# KiCad board prrplsattiny20_panel.kicad_pcb (continued)
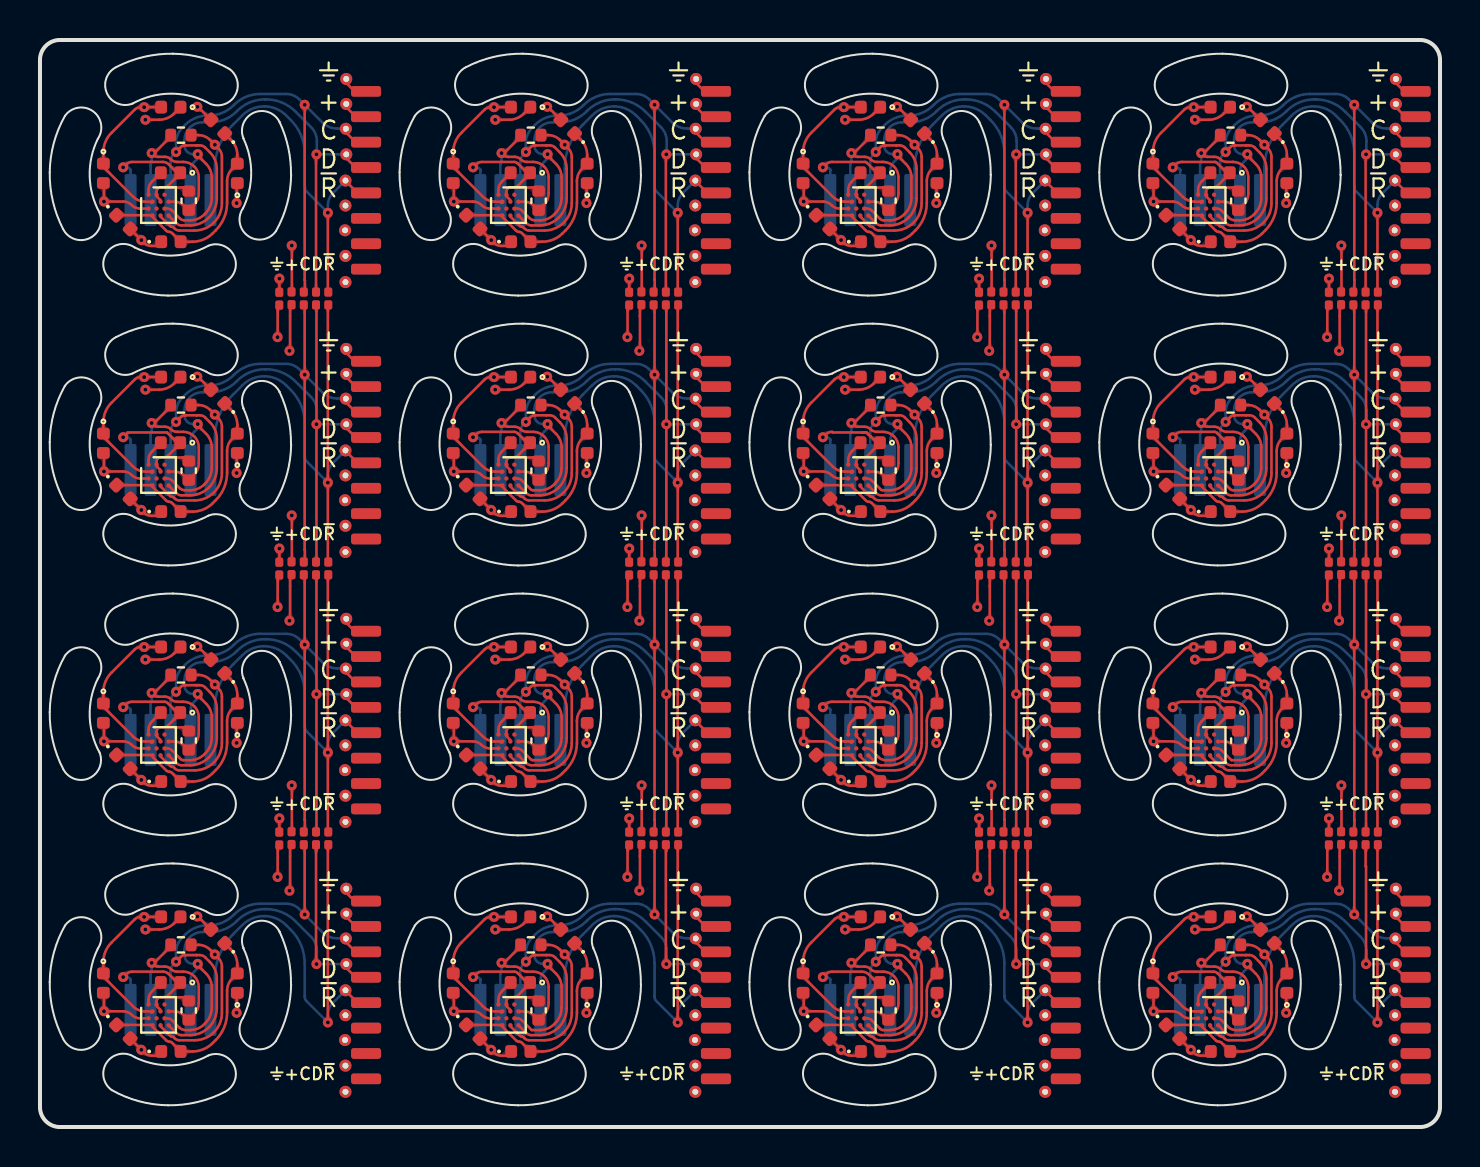
[diagram p0: board, top side]
## Routing (per net, layer and track width the routed paths; a pad name or vN(x,y) marks a point on that pad's centre or on a via; arc(x,y) is an arc through that point) (continued)
/B: length 176.6
  Top w0.127: D97.1 5.54,5.11 6.32,4.33 arc(6.38,4.29) 6.46,4.27 arc(6.54,4.26) 6.6,4.21 D98.2 7.63,3.78 arc(8.17,3.89) 8.64,4.2 8.79,4.35 arc(9.21,4.98) 9.36,5.72 9.36,6.81 arc(9.42,7.14) 9.61,7.43 D96.2 9.87,8.12 arc(9.79,8.53) 9.56,8.87 D93.1 ; D111.1 40.54,5.11 41.32,4.33 arc(41.38,4.29) 41.46,4.27 arc(41.54,4.26) 41.6,4.21 D112.2 42.63,3.78 arc(43.17,3.89) 43.64,4.2 43.79,4.35 arc(44.21,4.98) 44.36,5.72 44.36,6.81 arc(44.42,7.14) 44.61,7.43 D110.2 44.87,8.12 arc(44.79,8.53) 44.56,8.87 D107.1 ; D16.1 27.06,49.37 arc(27.29,49.03) 27.37,48.62 27.37,48.54 arc(27.3,48.21) 27.11,47.93 arc(26.92,47.64) 26.86,47.31 26.86,46.22 arc(26.71,45.48) 26.29,44.85 26.14,44.7 arc(25.67,44.39) 25.13,44.28 D21.2 24.1,44.71 arc(24.04,44.76) 23.96,44.77 arc(23.88,44.79) 23.82,44.83 23.04,45.61 D20.1 ; D55.1 40.54,32.11 41.32,31.33 arc(41.38,31.29) 41.46,31.27 arc(41.54,31.26) 41.6,31.21 D56.2 42.63,30.78 arc(43.17,30.89) 43.64,31.2 43.79,31.35 arc(44.21,31.98) 44.36,32.72 44.36,33.81 arc(44.42,34.14) 44.61,34.43 D54.2 44.87,35.12 arc(44.79,35.53) 44.56,35.87 D51.1 ; D104.1 23.04,5.11 23.82,4.33 arc(23.88,4.29) 23.96,4.27 arc(24.04,4.26) 24.1,4.21 D105.2 25.13,3.78 arc(25.67,3.89) 26.14,4.2 26.29,4.35 arc(26.71,4.98) 26.86,5.72 26.86,6.81 arc(26.92,7.14) 27.11,7.43 arc(27.3,7.71) 27.37,8.04 27.37,8.12 arc(27.29,8.53) 27.06,8.87 D100.1 ; D30.1 62.06,49.37 arc(62.29,49.03) 62.37,48.62 62.37,48.54 arc(62.3,48.21) 62.11,47.93 arc(61.92,47.64) 61.86,47.31 61.86,46.22 arc(61.71,45.48) 61.29,44.85 61.14,44.7 arc(60.67,44.39) 60.13,44.28 D35.2 59.1,44.71 arc(59.04,44.76) 58.96,44.77 arc(58.88,44.79) 58.82,44.83 58.04,45.61 D34.1 ; D27.1 40.54,45.61 41.32,44.83 arc(41.38,44.79) 41.46,44.77 arc(41.54,44.76) 41.6,44.71 D28.2 42.63,44.28 arc(43.17,44.39) 43.64,44.7 43.79,44.85 arc(44.21,45.48) 44.36,46.22 44.36,47.31 arc(44.42,47.64) 44.61,47.93 D26.2 44.87,48.62 arc(44.79,49.03) 44.56,49.37 D23.1 ; D86.1 62.06,22.37 arc(62.29,22.03) 62.37,21.62 D89.2 62.11,20.93 arc(61.92,20.64) 61.86,20.31 61.86,19.22 arc(61.71,18.48) 61.29,17.85 61.14,17.7 arc(60.67,17.39) 60.13,17.28 D91.2 59.1,17.71 arc(59.04,17.76) 58.96,17.77 arc(58.88,17.79) 58.82,17.83 58.04,18.61 D90.1 ; D58.1 62.06,35.87 arc(62.29,35.53) 62.37,35.12 D61.2 62.11,34.43 arc(61.92,34.14) 61.86,33.81 61.86,32.72 arc(61.71,31.98) 61.29,31.35 61.14,31.2 arc(60.67,30.89) 60.13,30.78 D63.2 59.1,31.21 arc(59.04,31.26) 58.96,31.27 arc(58.88,31.29) 58.82,31.33 58.04,32.11 D62.1 ; D9.1 9.56,49.37 arc(9.79,49.03) 9.87,48.62 D12.2 9.61,47.93 arc(9.42,47.64) 9.36,47.31 9.36,46.22 arc(9.21,45.48) 8.79,44.85 8.64,44.7 arc(8.17,44.39) 7.63,44.28 D14.2 6.6,44.71 arc(6.54,44.76) 6.46,44.77 arc(6.38,44.79) 6.32,44.83 5.54,45.61 D13.1 ; D6.1 58.04,5.11 58.82,4.33 arc(58.88,4.29) 58.96,4.27 arc(59.04,4.26) 59.1,4.21 D7.2 60.13,3.78 arc(60.67,3.89) 61.14,4.2 61.29,4.35 arc(61.71,4.98) 61.86,5.72 61.86,6.81 arc(61.92,7.14) 62.11,7.43 arc(62.3,7.71) 62.37,8.04 62.37,8.12 arc(62.29,8.53) 62.06,8.87 D2.1 ; D72.1 27.06,22.37 arc(27.29,22.03) 27.37,21.62 27.37,21.54 arc(27.3,21.21) 27.11,20.93 arc(26.92,20.64) 26.86,20.31 26.86,19.22 arc(26.71,18.48) 26.29,17.85 26.14,17.7 arc(25.67,17.39) 25.13,17.28 D77.2 24.1,17.71 arc(24.04,17.76) 23.96,17.77 arc(23.88,17.79) 23.82,17.83 23.04,18.61 D76.1 ; D48.1 23.04,32.11 23.82,31.33 arc(23.88,31.29) 23.96,31.27 arc(24.04,31.26) 24.1,31.21 D49.2 25.13,30.78 arc(25.67,30.89) 26.14,31.2 26.29,31.35 arc(26.71,31.98) 26.86,32.72 26.86,33.81 arc(26.92,34.14) 27.11,34.43 arc(27.3,34.71) 27.37,35.04 27.37,35.12 arc(27.29,35.53) 27.06,35.87 D44.1 ; D69.1 5.54,18.61 6.32,17.83 arc(6.38,17.79) 6.46,17.77 arc(6.54,17.76) 6.6,17.71 D70.2 7.63,17.28 arc(8.17,17.39) 8.64,17.7 8.79,17.85 arc(9.21,18.48) 9.36,19.22 9.36,20.31 arc(9.42,20.64) 9.61,20.93 arc(9.8,21.21) 9.87,21.54 9.87,21.62 arc(9.79,22.03) 9.56,22.37 D65.1 ; D83.1 40.54,18.61 41.32,17.83 arc(41.38,17.79) 41.46,17.77 arc(41.54,17.76) 41.6,17.71 D84.2 42.63,17.28 arc(43.17,17.39) 43.64,17.7 43.79,17.85 arc(44.21,18.48) 44.36,19.22 44.36,20.31 arc(44.42,20.64) 44.61,20.93 D82.2 44.87,21.62 arc(44.79,22.03) 44.56,22.37 D79.1 ; D37.1 9.56,35.87 arc(9.79,35.53) 9.87,35.12 9.87,35.04 arc(9.8,34.71) 9.61,34.43 arc(9.42,34.14) 9.36,33.81 9.36,32.72 arc(9.21,31.98) 8.79,31.35 8.64,31.2 arc(8.17,30.89) 7.63,30.78 D42.2 6.6,31.21 arc(6.54,31.26) 6.46,31.27 arc(6.38,31.29) 6.32,31.33 5.54,32.11 D41.1
/C: length 241.1
  Top w0.127: U5.C1 57.51,45.94 arc(57.28,45.98) 57.09,46.11 arc(56.89,46.24) 56.66,46.29 v1(55.7,46.29) 55.7,47.19 ; U16.C1 40.01,5.44 arc(39.78,5.48) 39.59,5.61 arc(39.39,5.74) 39.16,5.79 v1(38.2,5.79) 38.2,6.69 ; 40.86,44.07 40.57,44.07 arc(40.38,44.11) 40.22,44.22 v1(40.07,44.36) D27.2 ; 20.7,6.69 v1(20.7,5.79) 21.66,5.79 arc(21.89,5.74) 22.09,5.61 arc(22.28,5.48) 22.51,5.44 U15.C1 ; 23.36,30.57 23.07,30.57 arc(22.88,30.61) 22.72,30.72 v1(22.57,30.86) D48.2 ; U12.C1 40.01,18.94 arc(39.78,18.98) 39.59,19.11 arc(39.39,19.24) 39.16,19.29 v1(38.2,19.29) 38.2,20.19 ; 5.86,3.57 5.57,3.57 arc(5.38,3.61) 5.22,3.72 v1(5.07,3.86) D97.2 ; 38.2,47.19 v1(38.2,46.29) 39.16,46.29 arc(39.39,46.24) 39.59,46.11 arc(39.78,45.98) 40.01,45.94 U4.C1 ; U7.C1 22.51,32.44 arc(22.28,32.48) 22.09,32.61 arc(21.89,32.74) 21.66,32.79 v1(20.7,32.79) 20.7,33.69 ; 40.86,3.57 40.57,3.57 arc(40.38,3.61) 40.22,3.72 v1(40.07,3.86) D111.2 ; 55.7,6.69 v1(55.7,5.79) 56.66,5.79 arc(56.89,5.74) 57.09,5.61 arc(57.28,5.48) 57.51,5.44 U1.C1 ; 3.2,33.69 v1(3.2,32.79) 4.16,32.79 arc(4.39,32.74) 4.59,32.61 arc(4.78,32.48) 5.01,32.44 U6.C1 ; U9.C1 57.51,32.44 arc(57.28,32.48) 57.09,32.61 arc(56.89,32.74) 56.66,32.79 v1(55.7,32.79) 55.7,33.69 ; 20.7,47.19 v1(20.7,46.29) 21.66,46.29 arc(21.89,46.24) 22.09,46.11 arc(22.28,45.98) 22.51,45.94 U3.C1 ; D92.1 6.71,10.2 arc(6.36,9.96) 5.95,9.88 v1(5.27,9.88) ; U14.C1 5.01,5.44 arc(4.78,5.48) 4.59,5.61 arc(4.39,5.74) 4.16,5.79 v1(3.2,5.79) 3.2,6.69 ; D64.1 6.71,23.7 arc(6.36,23.46) 5.95,23.38 v1(5.27,23.38) ; v1(22.77,50.38) 23.45,50.38 arc(23.86,50.46) 24.21,50.7 D15.1 ; 58.36,30.57 58.07,30.57 arc(57.88,30.61) 57.72,30.72 v1(57.57,30.86) D62.2 ; 23.36,44.07 23.07,44.07 arc(22.88,44.11) 22.72,44.22 v1(22.57,44.36) D20.2 ; D50.1 41.71,37.2 arc(41.36,36.96) 40.95,36.88 v1(40.27,36.88) ; v1(5.27,36.88) 5.95,36.88 arc(6.36,36.96) 6.71,37.2 D36.1 ; D99.1 24.21,10.2 arc(23.86,9.96) 23.45,9.88 v1(22.77,9.88) ; D71.1 24.21,23.7 arc(23.86,23.46) 23.45,23.38 v1(22.77,23.38) ; v1(40.27,9.88) 40.95,9.88 arc(41.36,9.96) 41.71,10.2 D106.1 ; 5.86,17.07 5.57,17.07 arc(5.38,17.11) 5.22,17.22 v1(5.07,17.36) D69.2 ; 58.36,3.57 58.07,3.57 arc(57.88,3.61) 57.72,3.72 v1(57.57,3.86) D6.2 ; D1.1 59.21,10.2 arc(58.86,9.96) 58.45,9.88 v1(57.77,9.88) ; 20.7,20.19 v1(20.7,19.29) 21.66,19.29 arc(21.89,19.24) 22.09,19.11 arc(22.28,18.98) 22.51,18.94 U11.C1 ; D57.1 59.21,37.2 arc(58.86,36.96) 58.45,36.88 v1(57.77,36.88) ; D55.2 v1(40.07,30.86) 40.22,30.72 arc(40.38,30.61) 40.57,30.57 40.86,30.57 ; D43.1 24.21,37.2 arc(23.86,36.96) 23.45,36.88 v1(22.77,36.88) ; D22.1 41.71,50.7 arc(41.36,50.46) 40.95,50.38 v1(40.27,50.38) ; D85.1 59.21,23.7 arc(58.86,23.46) 58.45,23.38 v1(57.77,23.38) ; 3.2,47.19 v1(3.2,46.29) 4.16,46.29 arc(4.39,46.24) 4.59,46.11 arc(4.78,45.98) 5.01,45.94 U2.C1 ; D83.2 v1(40.07,17.36) 40.22,17.22 arc(40.38,17.11) 40.57,17.07 40.86,17.07 ; D41.2 v1(5.07,30.86) 5.22,30.72 arc(5.38,30.61) 5.57,30.57 5.86,30.57 ; 58.36,44.07 58.07,44.07 arc(57.88,44.11) 57.72,44.22 v1(57.57,44.36) D34.2 ; 3.2,20.19 v1(3.2,19.29) 4.16,19.29 arc(4.39,19.24) 4.59,19.11 arc(4.78,18.98) 5.01,18.94 U10.C1 ; D13.2 v1(5.07,44.36) 5.22,44.22 arc(5.38,44.11) 5.57,44.07 5.86,44.07 ; 58.36,17.07 58.07,17.07 arc(57.88,17.11) 57.72,17.22 v1(57.57,17.36) D90.2 ; 23.36,3.57 23.07,3.57 arc(22.88,3.61) 22.72,3.72 v1(22.57,3.86) D104.2 ; v1(5.27,50.38) 5.95,50.38 arc(6.36,50.46) 6.71,50.7 D8.1 ; 23.36,17.07 23.07,17.07 arc(22.88,17.11) 22.72,17.22 v1(22.57,17.36) D76.2 ; v1(57.77,50.38) 58.45,50.38 arc(58.86,50.46) 59.21,50.7 D29.1 ; v1(40.27,23.38) 40.95,23.38 arc(41.36,23.46) 41.71,23.7 D78.1 ; 38.2,33.69 v1(38.2,32.79) 39.16,32.79 arc(39.39,32.74) 39.59,32.61 arc(39.78,32.48) 40.01,32.44 U8.C1 ; U13.C1 57.51,18.94 arc(57.28,18.98) 57.09,19.11 arc(56.89,19.24) 56.66,19.29 v1(55.7,19.29) 55.7,20.19
  In1.Cu w0.127: 40.09,30.84 38.22,32.71 arc(38.21,32.73) 38.2,32.76 v1(38.2,32.79) 38.2,35.22 arc(38.33,35.86) 38.69,36.4 38.78,36.49 arc(39.21,36.78) 39.72,36.88 v1(40.27,36.88) ; 40.09,3.84 38.22,5.71 arc(38.21,5.73) 38.2,5.76 v1(38.2,5.79) 38.2,8.22 arc(38.33,8.86) 38.69,9.4 38.78,9.49 arc(39.21,9.78) 39.72,9.88 v1(40.27,9.88) ; v1(57.77,36.88) 57.22,36.88 arc(56.71,36.78) 56.28,36.49 56.19,36.4 arc(55.83,35.86) 55.7,35.22 v1(55.7,32.79) 55.7,32.76 arc(55.71,32.73) 55.72,32.71 57.59,30.84 ; v1(22.77,50.38) 22.22,50.38 arc(21.71,50.28) 21.28,49.99 21.18,49.9 arc(20.83,49.36) 20.7,48.72 v1(20.7,46.29) 20.7,46.26 arc(20.71,46.23) 20.72,46.21 22.59,44.34 ; 57.59,3.84 55.72,5.71 arc(55.71,5.73) 55.7,5.76 v1(55.7,5.79) 55.7,8.22 arc(55.83,8.86) 56.19,9.4 56.28,9.49 arc(56.71,9.78) 57.22,9.88 v1(57.77,9.88) ; v1(57.77,23.38) 57.22,23.38 arc(56.71,23.28) 56.28,22.99 56.19,22.9 arc(55.83,22.36) 55.7,21.72 v1(55.7,19.29) 55.7,19.26 arc(55.71,19.23) 55.72,19.21 57.59,17.34 ; 40.09,44.34 38.22,46.21 arc(38.21,46.23) 38.2,46.26 v1(38.2,46.29) 38.2,48.72 arc(38.33,49.36) 38.69,49.9 38.78,49.99 arc(39.21,50.28) 39.72,50.38 v1(40.27,50.38) ; 22.59,3.84 20.72,5.71 arc(20.71,5.73) 20.7,5.76 v1(20.7,5.79) 20.7,8.22 arc(20.83,8.86) 21.18,9.4 21.28,9.49 arc(21.71,9.78) 22.22,9.88 v1(22.77,9.88) ; v1(22.77,23.38) 22.22,23.38 arc(21.71,23.28) 21.28,22.99 21.19,22.9 arc(20.83,22.36) 20.7,21.72 v1(20.7,19.29) 20.7,19.26 arc(20.71,19.23) 20.72,19.21 22.59,17.34 ; v1(5.27,36.88) 4.72,36.88 arc(4.21,36.78) 3.78,36.49 3.68,36.4 arc(3.33,35.86) 3.2,35.22 v1(3.2,32.79) 3.2,32.76 arc(3.21,32.73) 3.22,32.71 5.09,30.84 ; 5.09,44.34 3.22,46.21 arc(3.21,46.23) 3.2,46.26 v1(3.2,46.29) 3.2,48.72 arc(3.33,49.36) 3.68,49.9 3.78,49.99 arc(4.21,50.28) 4.72,50.38 v1(5.27,50.38) ; 5.09,17.34 3.22,19.21 arc(3.21,19.23) 3.2,19.26 v1(3.2,19.29) 3.2,21.72 arc(3.33,22.36) 3.68,22.9 3.78,22.99 arc(4.21,23.28) 4.72,23.38 v1(5.27,23.38) ; 40.09,17.34 38.22,19.21 arc(38.21,19.23) 38.2,19.26 v1(38.2,19.29) 38.2,21.72 arc(38.33,22.36) 38.69,22.9 38.78,22.99 arc(39.21,23.28) 39.72,23.38 v1(40.27,23.38) ; 22.59,30.84 20.72,32.71 arc(20.71,32.73) 20.7,32.76 v1(20.7,32.79) 20.7,35.22 arc(20.83,35.86) 21.19,36.4 21.28,36.49 arc(21.71,36.78) 22.22,36.88 v1(22.77,36.88) ; v1(57.77,50.38) 57.22,50.38 arc(56.71,50.28) 56.28,49.99 56.19,49.9 arc(55.83,49.36) 55.7,48.72 v1(55.7,46.29) 55.7,46.26 arc(55.71,46.23) 55.72,46.21 57.59,44.34 ; 5.09,3.84 3.22,5.71 arc(3.21,5.73) 3.2,5.76 v1(3.2,5.79) 3.2,8.22 arc(3.33,8.86) 3.68,9.4 3.78,9.49 arc(4.21,9.78) 4.72,9.88 v1(5.27,9.88)
/CENTER: length 21.3
  Top w0.127: D18.2 23.1,47.29 arc(22.97,47.1) 22.93,46.87 U3.A1 ; U4.A1 40.43,46.87 arc(40.47,47.1) 40.6,47.29 D25.2 ; U13.A1 57.93,19.87 arc(57.97,20.1) 58.1,20.29 D88.2 ; U11.A1 22.93,19.87 arc(22.97,20.1) 23.1,20.29 D74.2 ; D32.2 58.1,47.29 arc(57.97,47.1) 57.93,46.87 U5.A1 ; D53.2 40.6,33.79 arc(40.47,33.6) 40.43,33.37 U8.A1 ; D46.2 23.1,33.79 arc(22.97,33.6) 22.93,33.37 U7.A1 ; U12.A1 40.43,19.87 arc(40.47,20.1) 40.6,20.29 D81.2 ; D4.2 58.1,6.79 arc(57.97,6.6) 57.93,6.37 U1.A1 ; D11.2 5.6,47.29 arc(5.47,47.1) 5.43,46.87 U2.A1 ; D60.2 58.1,33.79 arc(57.97,33.6) 57.93,33.37 U9.A1 ; D95.2 5.6,6.79 arc(5.47,6.6) 5.43,6.37 U14.A1 ; U10.A1 5.43,19.87 arc(5.47,20.1) 5.6,20.29 D67.2 ; U6.A1 5.43,33.37 arc(5.47,33.6) 5.6,33.79 D39.2 ; U16.A1 40.43,6.37 arc(40.47,6.6) 40.6,6.79 D109.2 ; U15.A1 22.93,6.37 arc(22.97,6.6) 23.1,6.79 D102.2
/TPICLK: length 497
  Top w0.127: U12.D6 41.73,18.29 arc(41.74,18.28) 41.75,18.28 arc(41.75,18.28) 41.76,18.28 41.85,18.19 arc(41.95,18.12) 42.07,18.1 42.5,18.1 arc(43.01,18.2) 43.45,18.49 43.45,18.49 arc(43.74,18.93) 43.84,19.44 43.84,20.92 arc(43.76,21.37) 43.5,21.75 43.26,21.99 arc(43.14,22.07) 42.99,22.1 42.84,22.1 arc(42.84,22.1) 42.83,22.1 arc(42.83,22.1) 42.83,22.1 42.29,22.1 arc(42.29,22.1) 42.29,22.1 arc(42.28,22.1) 42.28,22.1 42.21,22.1 arc(42.14,22.09) 42.09,22.05 v1(41.81,21.77) ; 67.83,36.22 68.34,35.71 ; v1(65.74,51.13) 65.74,42.38 arc(65.74,42.37) 65.74,42.37 arc(65.75,42.36) 65.75,42.35 65.75,41.76 ; 13.25,41.76 13.25,42.35 arc(13.25,42.36) 13.25,42.37 arc(13.24,42.37) 13.24,42.38 v1(13.24,51.13) ; v1(41.81,48.77) 42.09,49.05 arc(42.14,49.09) 42.21,49.1 42.28,49.1 arc(42.28,49.1) 42.29,49.1 arc(42.29,49.1) 42.29,49.1 42.83,49.1 arc(42.83,49.1) 42.83,49.1 arc(42.84,49.1) 42.84,49.1 42.99,49.1 arc(43.14,49.07) 43.26,48.99 43.5,48.75 arc(43.76,48.37) 43.84,47.92 43.84,46.44 arc(43.74,45.93) 43.45,45.49 43.45,45.49 arc(43.01,45.2) 42.5,45.1 42.07,45.1 arc(41.95,45.12) 41.85,45.19 41.76,45.28 arc(41.75,45.28) 41.75,45.28 arc(41.74,45.28) 41.73,45.29 U4.D6 ; v1(41.81,35.27) 42.09,35.55 arc(42.14,35.59) 42.21,35.6 42.28,35.6 arc(42.28,35.6) 42.29,35.6 arc(42.29,35.6) 42.29,35.6 42.83,35.6 arc(42.83,35.6) 42.83,35.6 arc(42.84,35.6) 42.84,35.6 42.99,35.6 arc(43.14,35.57) 43.26,35.49 43.5,35.25 arc(43.76,34.87) 43.84,34.42 43.84,32.94 arc(43.74,32.43) 43.45,31.99 43.45,31.99 arc(43.01,31.7) 42.5,31.6 42.07,31.6 arc(41.95,31.62) 41.85,31.69 41.76,31.78 arc(41.75,31.78) 41.75,31.78 arc(41.74,31.78) 41.73,31.79 U8.D6 ; 13.24,27.47 v1(13.24,24.13) 13.24,15.38 arc(13.24,15.37) 13.25,15.37 arc(13.25,15.36) 13.25,15.35 13.25,14.76 ; 15.33,22.72 15.84,22.21 ; 48.25,28.26 48.25,28.85 arc(48.25,28.86) 48.25,28.87 arc(48.24,28.87) 48.24,28.88 v1(48.24,37.63) 48.24,40.97 ; 32.83,9.22 33.34,8.71 ; 30.74,27.47 v1(30.74,24.13) 30.74,15.38 arc(30.74,15.37) 30.75,15.37 arc(30.75,15.36) 30.75,15.35 30.75,14.76 ; 32.83,22.72 33.34,22.21 ; 13.24,13.97 v1(13.24,10.63) ; 48.24,27.47 v1(48.24,24.13) 48.24,15.38 arc(48.24,15.37) 48.25,15.37 arc(48.25,15.36) 48.25,15.35 48.25,14.76 ; 15.33,49.72 15.84,49.21 ; v1(6.81,35.27) 7.09,35.55 arc(7.14,35.59) 7.21,35.6 7.28,35.6 arc(7.28,35.6) 7.29,35.6 arc(7.29,35.6) 7.29,35.6 7.83,35.6 arc(7.83,35.6) 7.83,35.6 arc(7.84,35.6) 7.84,35.6 7.99,35.6 arc(8.14,35.57) 8.26,35.49 8.5,35.25 arc(8.76,34.87) 8.84,34.42 8.84,32.94 arc(8.74,32.43) 8.45,31.99 8.45,31.99 arc(8.01,31.7) 7.5,31.6 7.07,31.6 arc(6.95,31.62) 6.85,31.69 6.76,31.78 arc(6.75,31.78) 6.75,31.78 arc(6.74,31.78) 6.73,31.79 U6.D6 ; U16.D6 41.73,4.79 arc(41.74,4.78) 41.75,4.78 arc(41.75,4.78) 41.76,4.78 41.85,4.69 arc(41.95,4.62) 42.07,4.6 42.5,4.6 arc(43.01,4.7) 43.45,4.99 43.45,4.99 arc(43.74,5.43) 43.84,5.94 43.84,7.42 arc(43.76,7.87) 43.5,8.25 43.26,8.49 arc(43.14,8.57) 42.99,8.6 42.84,8.6 arc(42.84,8.6) 42.83,8.6 arc(42.83,8.6) 42.83,8.6 42.29,8.6 arc(42.29,8.6) 42.29,8.6 arc(42.28,8.6) 42.28,8.6 42.21,8.6 arc(42.14,8.59) 42.09,8.55 v1(41.81,8.27) ; 30.75,28.26 30.75,28.85 arc(30.75,28.86) 30.75,28.87 arc(30.74,28.87) 30.74,28.88 v1(30.74,37.63) 30.74,40.97 ; v1(65.74,10.63) 65.74,13.97 ; 65.75,28.26 65.75,28.85 arc(65.75,28.86) 65.74,28.87 arc(65.74,28.87) 65.74,28.88 v1(65.74,37.63) 65.74,40.97 ; 32.83,49.72 33.34,49.21 ; v1(48.24,10.63) 48.24,13.97 ; v1(48.24,51.13) 48.24,42.38 arc(48.24,42.37) 48.25,42.37 arc(48.25,42.36) 48.25,42.35 48.25,41.76 ; 15.33,36.22 15.84,35.71 ; U2.D6 6.73,45.29 arc(6.74,45.28) 6.75,45.28 arc(6.75,45.28) 6.76,45.28 6.85,45.19 arc(6.95,45.12) 7.07,45.1 7.5,45.1 arc(8.01,45.2) 8.45,45.49 8.45,45.49 arc(8.74,45.93) 8.84,46.44 8.84,47.92 arc(8.76,48.37) 8.5,48.75 8.26,48.99 arc(8.14,49.07) 7.99,49.1 7.84,49.1 arc(7.84,49.1) 7.83,49.1 arc(7.83,49.1) 7.83,49.1 7.29,49.1 arc(7.29,49.1) 7.29,49.1 arc(7.28,49.1) 7.28,49.1 7.21,49.1 arc(7.14,49.09) 7.09,49.05 v1(6.81,48.77) ; 15.33,9.22 15.84,8.71 ; v1(59.31,35.27) 59.59,35.55 arc(59.64,35.59) 59.71,35.6 59.78,35.6 arc(59.78,35.6) 59.79,35.6 arc(59.79,35.6) 59.79,35.6 60.33,35.6 arc(60.33,35.6) 60.33,35.6 arc(60.34,35.6) 60.34,35.6 60.49,35.6 arc(60.64,35.57) 60.76,35.49 61,35.25 arc(61.26,34.87) 61.34,34.42 61.34,32.94 arc(61.24,32.43) 60.95,31.99 60.95,31.99 arc(60.51,31.7) 60,31.6 59.57,31.6 arc(59.45,31.62) 59.35,31.69 59.26,31.78 arc(59.25,31.78) 59.25,31.78 arc(59.24,31.78) 59.23,31.79 U9.D6 ; 65.74,27.47 v1(65.74,24.13) 65.74,15.38 arc(65.74,15.37) 65.74,15.37 arc(65.75,15.36) 65.75,15.35 65.75,14.76 ; U13.D6 59.23,18.29 arc(59.24,18.28) 59.25,18.28 arc(59.25,18.28) 59.26,18.28 59.35,18.19 arc(59.45,18.12) 59.57,18.1 60,18.1 arc(60.51,18.2) 60.95,18.49 60.95,18.49 arc(61.24,18.93) 61.34,19.44 61.34,20.92 arc(61.26,21.37) 61,21.75 60.76,21.99 arc(60.64,22.07) 60.49,22.1 60.34,22.1 arc(60.34,22.1) 60.33,22.1 arc(60.33,22.1) 60.33,22.1 59.79,22.1 arc(59.79,22.1) 59.79,22.1 arc(59.78,22.1) 59.78,22.1 59.71,22.1 arc(59.64,22.09) 59.59,22.05 v1(59.31,21.77) ; U5.D6 59.23,45.29 arc(59.24,45.28) 59.25,45.28 arc(59.25,45.28) 59.26,45.28 59.35,45.19 arc(59.45,45.12) 59.57,45.1 60,45.1 arc(60.51,45.2) 60.95,45.49 60.95,45.49 arc(61.24,45.93) 61.34,46.44 61.34,47.92 arc(61.26,48.37) 61,48.75 60.76,48.99 arc(60.64,49.07) 60.49,49.1 60.34,49.1 arc(60.34,49.1) 60.33,49.1 arc(60.33,49.1) 60.33,49.1 59.79,49.1 arc(59.79,49.1) 59.79,49.1 arc(59.78,49.1) 59.78,49.1 59.71,49.1 arc(59.64,49.09) 59.59,49.05 v1(59.31,48.77) ; v1(59.31,8.27) 59.59,8.55 arc(59.64,8.59) 59.71,8.6 59.78,8.6 arc(59.78,8.6) 59.79,8.6 arc(59.79,8.6) 59.79,8.6 60.33,8.6 arc(60.33,8.6) 60.33,8.6 arc(60.34,8.6) 60.34,8.6 60.49,8.6 arc(60.64,8.57) 60.76,8.49 61,8.25 arc(61.26,7.87) 61.34,7.42 61.34,5.94 arc(61.24,5.43) 60.95,4.99 60.95,4.99 arc(60.51,4.7) 60,4.6 59.57,4.6 arc(59.45,4.62) 59.35,4.69 59.26,4.78 arc(59.25,4.78) 59.25,4.78 arc(59.24,4.78) 59.23,4.79 U1.D6 ; v1(6.81,8.27) 7.09,8.55 arc(7.14,8.59) 7.21,8.6 7.28,8.6 arc(7.28,8.6) 7.29,8.6 arc(7.29,8.6) 7.29,8.6 7.83,8.6 arc(7.83,8.6) 7.83,8.6 arc(7.84,8.6) 7.84,8.6 7.99,8.6 arc(8.14,8.57) 8.26,8.49 8.5,8.25 arc(8.76,7.87) 8.84,7.42 8.84,5.94 arc(8.74,5.43) 8.45,4.99 8.45,4.99 arc(8.01,4.7) 7.5,4.6 7.07,4.6 arc(6.95,4.62) 6.85,4.69 6.76,4.78 arc(6.75,4.78) 6.75,4.78 arc(6.74,4.78) 6.73,4.79 U14.D6 ; U15.D6 24.23,4.79 arc(24.24,4.78) 24.25,4.78 arc(24.25,4.78) 24.26,4.78 24.35,4.69 arc(24.45,4.62) 24.57,4.6 25,4.6 arc(25.51,4.7) 25.95,4.99 25.95,4.99 arc(26.24,5.43) 26.34,5.94 26.34,7.42 arc(26.26,7.87) 26,8.25 25.76,8.49 arc(25.64,8.57) 25.49,8.6 25.34,8.6 arc(25.34,8.6) 25.33,8.6 arc(25.33,8.6) 25.33,8.6 24.79,8.6 arc(24.79,8.6) 24.79,8.6 arc(24.78,8.6) 24.78,8.6 24.71,8.6 arc(24.64,8.59) 24.59,8.55 v1(24.31,8.27) ; v1(24.31,35.27) 24.59,35.55 arc(24.64,35.59) 24.71,35.6 24.78,35.6 arc(24.78,35.6) 24.79,35.6 arc(24.79,35.6) 24.79,35.6 25.33,35.6 arc(25.33,35.6) 25.33,35.6 arc(25.34,35.6) 25.34,35.6 25.49,35.6 arc(25.64,35.57) 25.76,35.49 26,35.25 arc(26.26,34.87) 26.34,34.42 26.34,32.94 arc(26.24,32.43) 25.95,31.99 25.95,31.99 arc(25.51,31.7) 25,31.6 24.57,31.6 arc(24.45,31.62) 24.35,31.69 24.26,31.78 arc(24.25,31.78) 24.25,31.78 arc(24.24,31.78) 24.23,31.79 U7.D6 ; v1(24.31,48.77) 24.59,49.05 arc(24.64,49.09) 24.71,49.1 24.78,49.1 arc(24.78,49.1) 24.79,49.1 arc(24.79,49.1) 24.79,49.1 25.33,49.1 arc(25.33,49.1) 25.33,49.1 arc(25.34,49.1) 25.34,49.1 25.49,49.1 arc(25.64,49.07) 25.76,48.99 26,48.75 arc(26.26,48.37) 26.34,47.92 26.34,46.44 arc(26.24,45.93) 25.95,45.49 25.95,45.49 arc(25.51,45.2) 25,45.1 24.57,45.1 arc(24.45,45.12) 24.35,45.19 24.26,45.28 arc(24.25,45.28) 24.25,45.28 arc(24.24,45.28) 24.23,45.29 U3.D6 ; U11.D6 24.23,18.29 arc(24.24,18.28) 24.25,18.28 arc(24.25,18.28) 24.26,18.28 24.35,18.19 arc(24.45,18.12) 24.57,18.1 25,18.1 arc(25.51,18.2) 25.95,18.49 25.95,18.49 arc(26.24,18.93) 26.34,19.44 26.34,20.92 arc(26.26,21.37) 26,21.75 25.76,21.99 arc(25.64,22.07) 25.49,22.1 25.34,22.1 arc(25.34,22.1) 25.33,22.1 arc(25.33,22.1) 25.33,22.1 24.79,22.1 arc(24.79,22.1) 24.79,22.1 arc(24.78,22.1) 24.78,22.1 24.71,22.1 arc(24.64,22.09) 24.59,22.05 v1(24.31,21.77) ; 67.83,49.72 68.34,49.21 ; U10.D6 6.73,18.29 arc(6.74,18.28) 6.75,18.28 arc(6.75,18.28) 6.76,18.28 6.85,18.19 arc(6.95,18.12) 7.07,18.1 7.5,18.1 arc(8.01,18.2) 8.45,18.49 8.45,18.49 arc(8.74,18.93) 8.84,19.44 8.84,20.92 arc(8.76,21.37) 8.5,21.75 8.26,21.99 arc(8.14,22.07) 7.99,22.1 7.84,22.1 arc(7.84,22.1) 7.83,22.1 arc(7.83,22.1) 7.83,22.1 7.29,22.1 arc(7.29,22.1) 7.29,22.1 arc(7.28,22.1) 7.28,22.1 7.21,22.1 arc(7.14,22.09) 7.09,22.05 v1(6.81,21.77) ; 67.83,9.22 68.34,8.71 ; 50.33,9.22 50.84,8.71 ; v1(30.74,51.13) 30.74,42.38 arc(30.74,42.37) 30.75,42.37 arc(30.75,42.36) 30.75,42.35 30.75,41.76 ; v1(30.74,10.63) 30.74,13.97 ; 50.33,22.72 50.84,22.21 ; 67.83,22.72 68.34,22.21 ; 50.33,36.22 50.84,35.71 ; 32.83,36.22 33.34,35.71 ; 13.25,28.26 13.25,28.85 arc(13.25,28.86) 13.25,28.87 arc(13.24,28.87) 13.24,28.88 v1(13.24,37.63) 13.24,40.97 ; 50.33,49.72 50.84,49.21
  Bottom w0.127: J20.03 6.53,21.3 arc(6.57,21.48) 6.67,21.63 v1(6.81,21.77) 6.81,22.22 arc(6.89,22.63) 7.12,22.98 7.27,23.13 arc(7.78,23.47) 8.38,23.59 8.45,23.59 arc(9.12,23.72) 9.68,24.1 9.71,24.13 arc(10.31,24.53) 11.01,24.67 12.32,24.67 arc(12.67,24.6) 12.97,24.4 v1(13.24,24.13) 14.13,23.24 arc(14.46,23.02) 14.86,22.94 15.29,22.94 ; J6.03 24.03,48.3 arc(24.07,48.48) 24.17,48.63 v1(24.31,48.77) 24.31,49.22 arc(24.39,49.63) 24.62,49.98 24.77,50.13 arc(25.28,50.47) 25.88,50.59 25.95,50.59 arc(26.62,50.72) 27.18,51.1 27.21,51.13 arc(27.81,51.53) 28.51,51.67 29.82,51.67 arc(30.17,51.6) 30.47,51.4 v1(30.74,51.13) 31.63,50.24 arc(31.96,50.02) 32.36,49.94 32.79,49.94 ; 15.29,36.44 14.86,36.44 arc(14.46,36.52) 14.13,36.74 v1(13.24,37.63) 12.97,37.9 arc(12.67,38.1) 12.32,38.17 11.01,38.17 arc(10.31,38.03) 9.71,37.63 9.68,37.6 arc(9.12,37.22) 8.45,37.09 8.38,37.09 arc(7.78,36.97) 7.27,36.63 7.12,36.48 arc(6.89,36.13) 6.81,35.72 v1(6.81,35.27) 6.67,35.13 arc(6.57,34.98) 6.53,34.8 J12.03 ; 50.29,22.94 49.86,22.94 arc(49.46,23.02) 49.13,23.24 v1(48.24,24.13) 47.97,24.4 arc(47.67,24.6) 47.32,24.67 46.01,24.67 arc(45.31,24.53) 44.71,24.13 44.68,24.1 arc(44.12,23.72) 43.45,23.59 43.38,23.59 arc(42.78,23.47) 42.27,23.13 42.12,22.98 arc(41.89,22.63) 41.81,22.22 v1(41.81,21.77) 41.67,21.63 arc(41.57,21.48) 41.53,21.3 J24.03 ; J28.03 6.53,7.8 arc(6.57,7.98) 6.67,8.13 v1(6.81,8.27) 6.81,8.72 arc(6.89,9.13) 7.12,9.48 7.27,9.63 arc(7.78,9.97) 8.38,10.09 8.45,10.09 arc(9.12,10.22) 9.68,10.6 9.71,10.63 arc(10.31,11.03) 11.01,11.17 12.32,11.17 arc(12.67,11.1) 12.97,10.9 v1(13.24,10.63) 14.13,9.74 arc(14.46,9.52) 14.86,9.44 15.29,9.44 ; J16.03 41.53,34.8 arc(41.57,34.98) 41.67,35.13 v1(41.81,35.27) 41.81,35.72 arc(41.89,36.13) 42.12,36.48 42.27,36.63 arc(42.78,36.97) 43.38,37.09 43.45,37.09 arc(44.12,37.22) 44.68,37.6 44.71,37.63 arc(45.31,38.03) 46.01,38.17 47.32,38.17 arc(47.67,38.1) 47.97,37.9 v1(48.24,37.63) 49.13,36.74 arc(49.46,36.52) 49.86,36.44 50.29,36.44 ; 50.29,49.94 49.86,49.94 arc(49.46,50.02) 49.13,50.24 v1(48.24,51.13) 47.97,51.4 arc(47.67,51.6) 47.32,51.67 46.01,51.67 arc(45.31,51.53) 44.71,51.13 44.68,51.1 arc(44.12,50.72) 43.45,50.59 43.38,50.59 arc(42.78,50.47) 42.27,50.13 42.12,49.98 arc(41.89,49.63) 41.81,49.22 v1(41.81,48.77) 41.67,48.63 arc(41.57,48.48) 41.53,48.3 J8.03 ; J26.03 59.03,21.3 arc(59.07,21.48) 59.17,21.63 v1(59.31,21.77) 59.31,22.22 arc(59.39,22.63) 59.62,22.98 59.77,23.13 arc(60.28,23.47) 60.88,23.59 60.95,23.59 arc(61.62,23.72) 62.18,24.1 62.21,24.13 arc(62.81,24.53) 63.51,24.67 64.82,24.67 arc(65.17,24.6) 65.47,24.4 v1(65.74,24.13) 66.63,23.24 arc(66.96,23.02) 67.36,22.94 67.79,22.94 ; J4.03 6.53,48.3 arc(6.57,48.48) 6.67,48.63 v1(6.81,48.77) 6.81,49.22 arc(6.89,49.63) 7.12,49.98 7.27,50.13 arc(7.78,50.47) 8.38,50.59 8.45,50.59 arc(9.12,50.72) 9.68,51.1 9.71,51.13 arc(10.31,51.53) 11.01,51.67 12.32,51.67 arc(12.67,51.6) 12.97,51.4 v1(13.24,51.13) 14.13,50.24 arc(14.46,50.02) 14.86,49.94 15.29,49.94 ; 67.79,36.44 67.36,36.44 arc(66.96,36.52) 66.63,36.74 v1(65.74,37.63) 65.47,37.9 arc(65.17,38.1) 64.82,38.17 63.51,38.17 arc(62.81,38.03) 62.21,37.63 62.18,37.6 arc(61.62,37.22) 60.95,37.09 60.88,37.09 arc(60.28,36.97) 59.77,36.63 59.62,36.48 arc(59.39,36.13) 59.31,35.72 v1(59.31,35.27) 59.17,35.13 arc(59.07,34.98) 59.03,34.8 J18.03 ; J30.03 24.03,7.8 arc(24.07,7.98) 24.17,8.13 v1(24.31,8.27) 24.31,8.72 arc(24.39,9.13) 24.62,9.48 24.77,9.63 arc(25.28,9.97) 25.88,10.09 25.95,10.09 arc(26.62,10.22) 27.18,10.6 27.21,10.63 arc(27.81,11.03) 28.51,11.17 29.82,11.17 arc(30.17,11.1) 30.47,10.9 v1(30.74,10.63) 31.63,9.74 arc(31.96,9.52) 32.36,9.44 32.79,9.44 ; 32.79,36.44 32.36,36.44 arc(31.96,36.52) 31.63,36.74 v1(30.74,37.63) 30.47,37.9 arc(30.17,38.1) 29.82,38.17 28.51,38.17 arc(27.81,38.03) 27.21,37.63 27.18,37.6 arc(26.62,37.22) 25.95,37.09 25.88,37.09 arc(25.28,36.97) 24.77,36.63 24.62,36.48 arc(24.39,36.13) 24.31,35.72 v1(24.31,35.27) 24.17,35.13 arc(24.07,34.98) 24.03,34.8 J14.03 ; 67.79,49.94 67.36,49.94 arc(66.96,50.02) 66.63,50.24 v1(65.74,51.13) 65.47,51.4 arc(65.17,51.6) 64.82,51.67 63.51,51.67 arc(62.81,51.53) 62.21,51.13 62.18,51.1 arc(61.62,50.72) 60.95,50.59 60.88,50.59 arc(60.28,50.47) 59.77,50.13 59.62,49.98 arc(59.39,49.63) 59.31,49.22 v1(59.31,48.77) 59.17,48.63 arc(59.07,48.48) 59.03,48.3 J10.03 ; 50.29,9.44 49.86,9.44 arc(49.46,9.52) 49.13,9.74 v1(48.24,10.63) 47.97,10.9 arc(47.67,11.1) 47.32,11.17 46.01,11.17 arc(45.31,11.03) 44.71,10.63 44.68,10.6 arc(44.12,10.22) 43.45,10.09 43.38,10.09 arc(42.78,9.97) 42.27,9.63 42.12,9.48 arc(41.89,9.13) 41.81,8.72 v1(41.81,8.27) 41.67,8.13 arc(41.57,7.98) 41.53,7.8 J32.03 ; 32.79,22.94 32.36,22.94 arc(31.96,23.02) 31.63,23.24 v1(30.74,24.13) 30.47,24.4 arc(30.17,24.6) 29.82,24.67 28.51,24.67 arc(27.81,24.53) 27.21,24.13 27.18,24.1 arc(26.62,23.72) 25.95,23.59 25.88,23.59 arc(25.28,23.47) 24.77,23.13 24.62,22.98 arc(24.39,22.63) 24.31,22.22 v1(24.31,21.77) 24.17,21.63 arc(24.07,21.48) 24.03,21.3 J22.03 ; 67.79,9.44 67.36,9.44 arc(66.96,9.52) 66.63,9.74 v1(65.74,10.63) 65.47,10.9 arc(65.17,11.1) 64.82,11.17 63.51,11.17 arc(62.81,11.03) 62.21,10.63 62.18,10.6 arc(61.62,10.22) 60.95,10.09 60.88,10.09 arc(60.28,9.97) 59.77,9.63 59.62,9.48 arc(59.39,9.13) 59.31,8.72 v1(59.31,8.27) 59.17,8.13 arc(59.07,7.98) 59.03,7.8 J2.03